# Allegro board C112P01-T2-ZDS-A03.brd (continued)
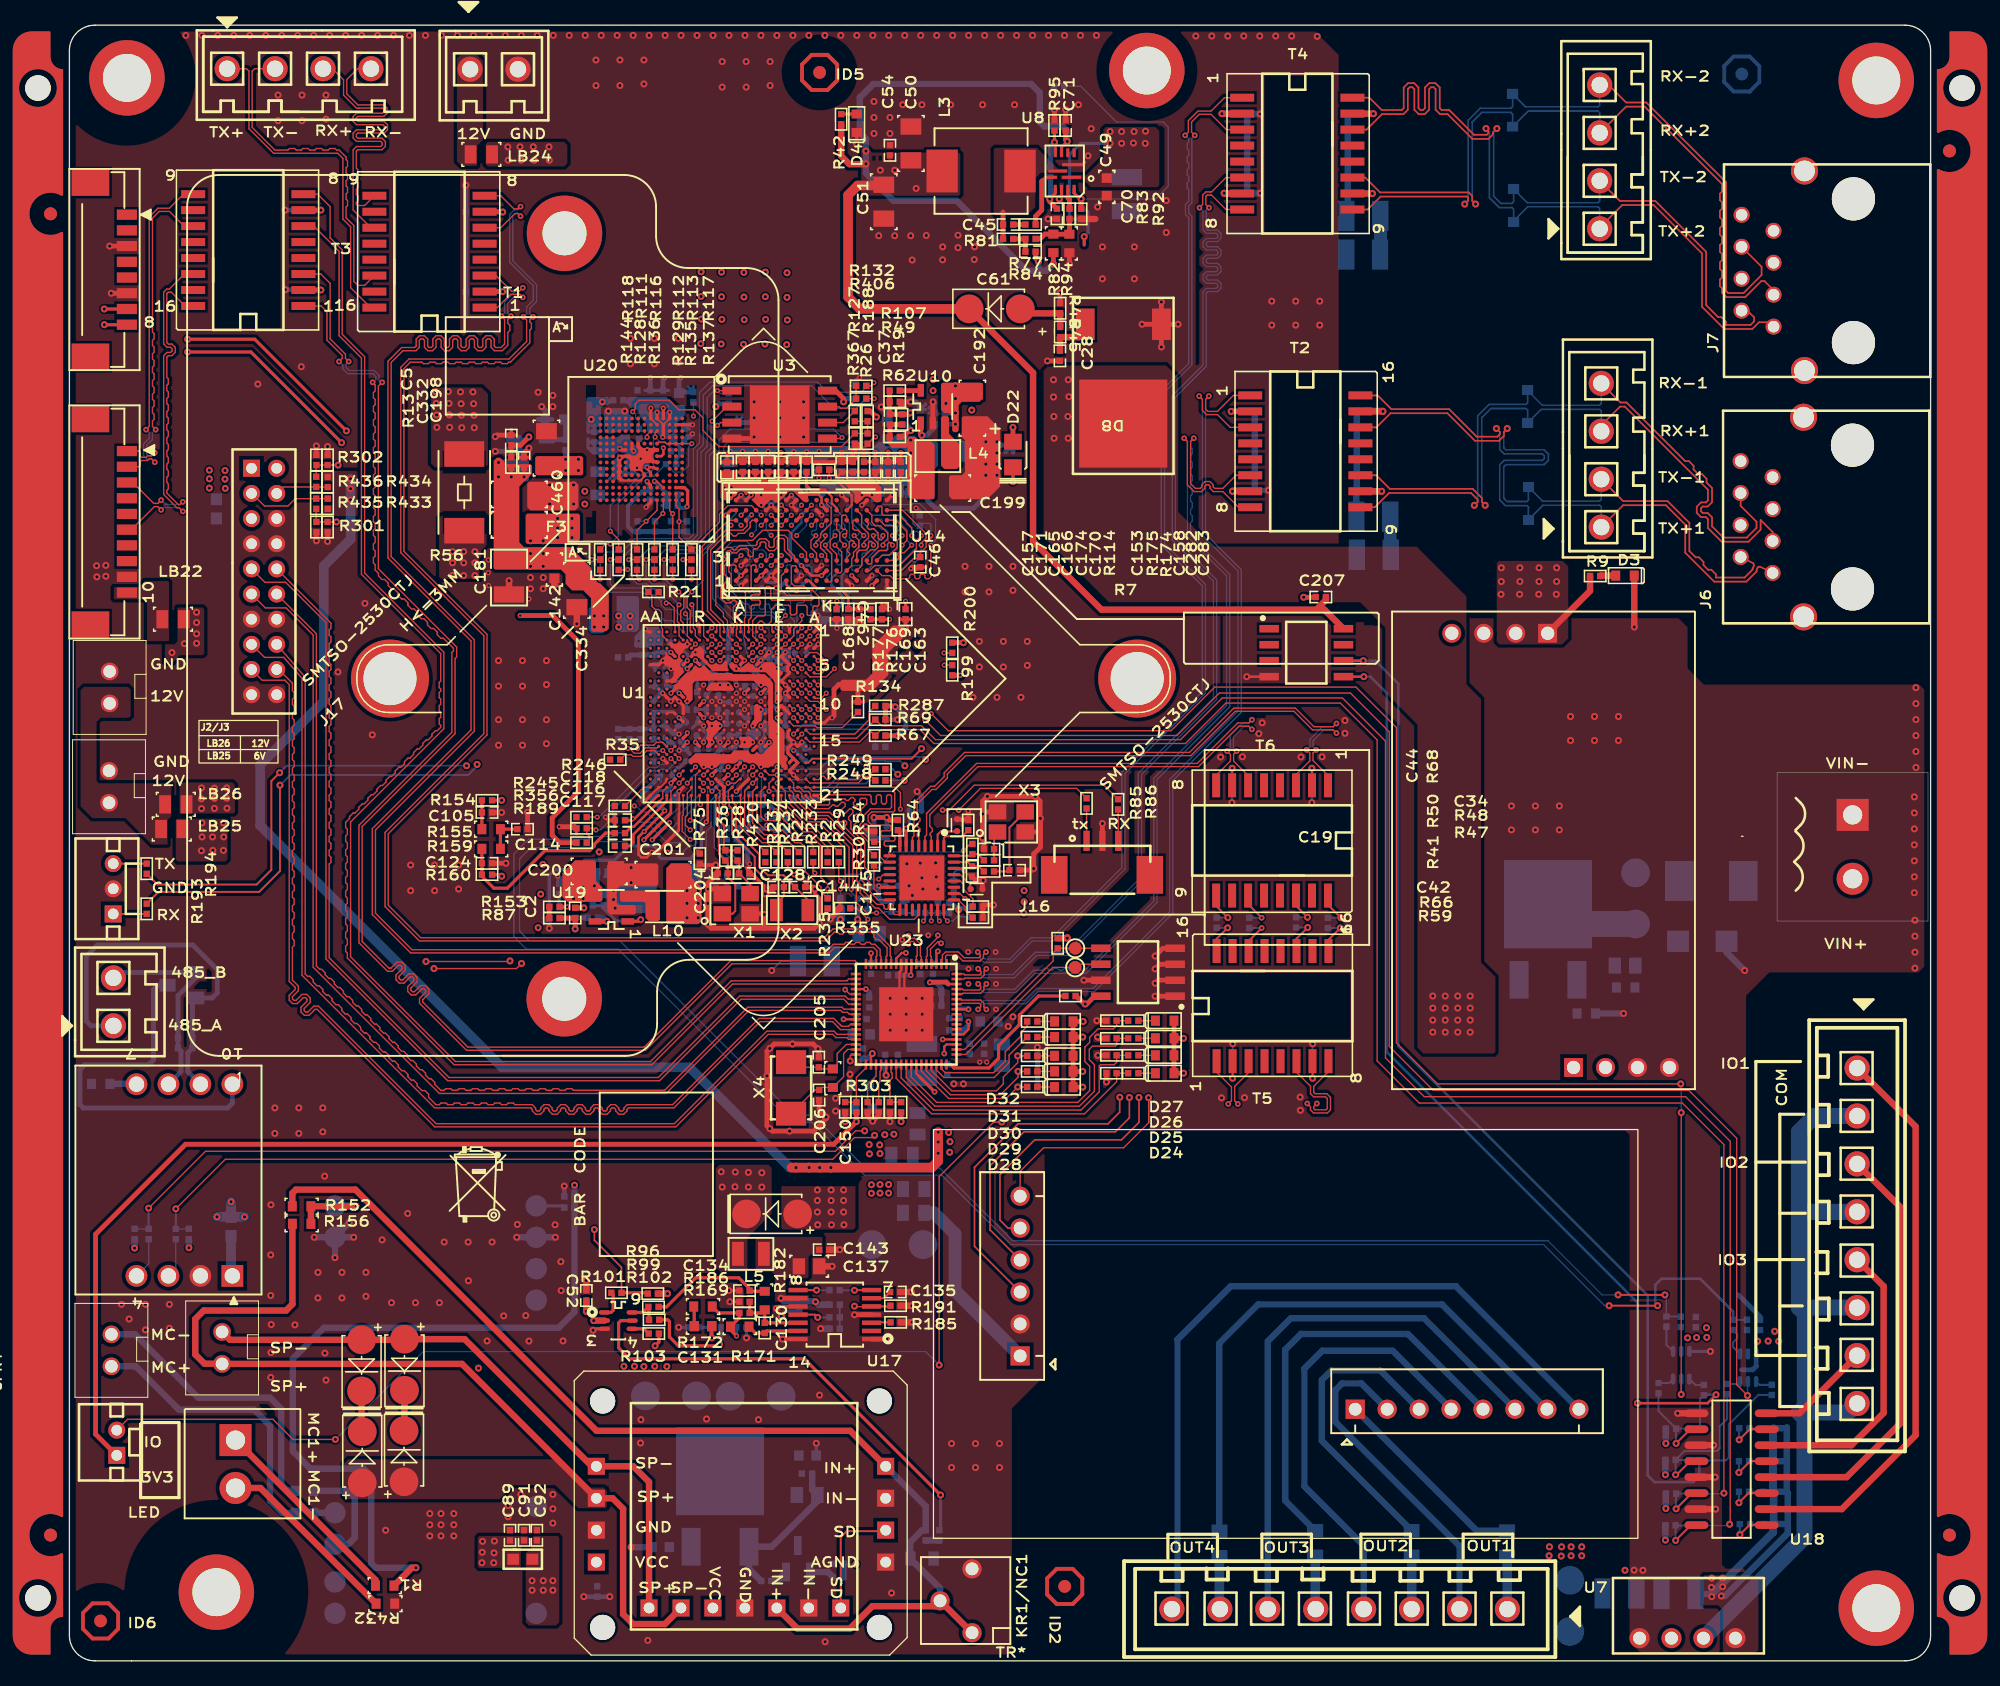
[diagram p0: board, top side]
## Routing (per net, layer and track width the routed paths; a pad name or vN(x,y) marks a point on that pad's centre or on a via; arc(x,y) is an arc through that point) (continued)
UART4_RXD: length 104.5
  TOP w0.102: U1.U18 v3(48.47,70.43) ; v1(63.22,42.14) 62.51,42.14 60.88,40.51 10.82,40.51 v1(6.3,35.99)
  ART03 w0.102: v3(48.47,70.43) 47.88,70.43 47.45,70 47.45,69.37 48.59,68.22 48.59,64.67 49.29,63.97 58.63,63.97 59.84,62.76 59.84,61.16 59.05,60.38 59.05,57.84 62.18,54.71 62.18,51.08 62.69,50.57 62.69,43.59 63.3,42.98 63.3,42.21 v1(63.22,42.14)
  BOTTOM w0.102: R213.1 R88.1
  BOTTOM w0.152: R213.1 v1(6.3,35.99)
UART4_TXD: length 101.5
  TOP w0.102: v1(64.01,41.78) 63.83,41.61 62.41,41.61 60.68,39.88 12.4,39.88 v1(8.46,35.94) ; U1.U19 v3(48.47,69.78)
  ART03 w0.102: v1(64.01,41.78) 64.52,42.29 64.52,43.31 62.99,44.83 62.99,50.77 62.56,51.21 62.56,55.09 62,55.65 62,59.82 60.78,61.04 60.78,62.46 58.89,64.35 49.41,64.35 48.84,64.92 48.84,69.37 48.47,69.74 v3(48.47,69.78)
  BOTTOM w0.102: R211.2 R212.1
  BOTTOM w0.152: R212.1 v1(8.46,35.94)
UPDATE_MODE_N: length 7.6
  TOP w0.102: U1.C14 v3(58.22,73.68)
  BOTTOM w0.102: v3(58.22,73.68) 58.6,74.07 63.55,74.07 R165.2 R18.1
USB_VBUS: length 4
  TOP w0.254: U1.V4 v3(47.82,80.18)
  BOTTOM w0.381: v3(47.82,80.18) 46.77,80.18 C59.1 R142.2 44.62,79.97 R76.1
VGND: length 63.4
  BOTTOM w1.27: 137.49,19.74 137.92,19.31 137.92,9.83 U7.3 ; 137.49,19.74 137.95,20.2 137.95,27.62 137.49,28.08 ; 137.49,19.74 141.4,19.74 J5.8 ; 137.49,28.08 137.49,35.7 ; 137.49,28.08 J5.6 ; J5.4 137.49,35.7 ; 137.49,35.7 137.49,42.05 138.76,43.32 J5.2
VLAN_DIS: length 22.4
  TOP w0.102: U23.41 65.72,46.32 68.55,43.49 80.69,43.49 83.25,46.05 R292.2 R271.1
WOL: length 13
  TOP w0.178: U23.51 70.07,47.41
  TOP w0.254: 70.07,47.41 70.33,47.14 73.1,47.14 73.86,47.9 73.86,48.92 75.51,50.57 75.51,51.33 77.04,52.86 R282.2
X1: length 6.7
  TOP w0.102: U23.32 61.76,49.01 61.04,48.29 61.04,47.41 R303.1 59.71,47.06 C205.2 57.78,47.19 X4.1
X2: length 8.3
  TOP w0.102: U23.33 61.87,48.61 61.54,48.29 61.54,46.44 R303.2 59.8,45.59 C206.2 59.26,45.39 X4.2
XIN: length 10.9
  TOP w0.102: 51.39,67.95 51.39,67.95 U1.N21
  TOP w0.152: X1.1 52.72,59.4 52.93,59.61 52.93,61.72 52.35,62.31 C204.1 52.35,63.42 R36.1 51.64,64.13 51.64,66.32 51.39,66.56 51.39,67.95
XOUT: length 6.3
  TOP w0.102: U1.N20 51.71,69.14 51.71,68.68 51.65,68.62 51.65,67.88
  TOP w0.152: 51.65,67.88 51.65,66.81 52.02,66.45 52.02,64.57 R36.2 R28.1
$9N18176: length 4.3
  BOTTOM w0.254: U15.H1 58.59,94.51 C161.1 R178.2 R179.1
$9N18177: length 5.2
  BOTTOM w0.178: 61.39,85.4 61.39,86.28 61.79,86.69 U15.M8
  BOTTOM w0.254: 61.39,85.4 61.9,84.89 61.9,84.18 61.95,84.13 C159.1 R180.2 R181.1
$9N18178: length 3.8
  BOTTOM w0.178: 60.59,85.51 60.59,86.08 60.99,86.48 60.99,86.69 U15.L8
  BOTTOM w0.254: 60.59,85.51 61.47,84.63 61.47,84.06 61.21,83.8 61.19,83.8 R115.2
$9N18185: length 5.5
  TOP w0.178: U14.M8 62.19,91.88 62.19,92.66
  TOP w0.203: 62.19,92.66 61.15,93.69 61.15,94.28 C153.1
  TOP w0.254: R174.1 R175.2 C153.1
$9N18186: length 6.6
  TOP w0.203: U14.H1 58.79,85.89 59.4,85.28 61.23,85.28 61.93,84.58 61.93,83.64 C462.1
  TOP w0.254: C462.1 61.92,83.62 R177.2 R176.1
$9N18198: length 4.7
  TOP w0.152: 60.6,92.04 60.6,92.57
  TOP w0.178: U14.L8 60.99,91.49 60.99,91.65 60.6,92.04 ; 60.6,92.57 60.07,93.1
  TOP w0.254: 60.07,93.1 59.72,93.1 59.72,93.1 58.93,93.1 58.6,93.43 R114.2
$10N9450: length 6.6
  TOP w0.102: R237.1 55.47,65.05 55.07,65.05 53.67,66.44 53.67,69.14 U1.J20
$10N9451: length 11.1
  TOP w0.102: v3(60.27,61.37) 60.27,61.75 59.74,62.28 59.74,64.82 58.95,65.61 58.06,65.61 56.46,67.21 55.96,67.21 55.68,67.49 55.68,67.82 55.29,68.21 55.29,68.81 U1.G21
  BOTTOM w0.102: R236.1 v3(60.27,61.37)
$10N9452: length 11.6
  TOP w0.102: R235.1 59.74,61.16 59.74,61.52 58.5,62.76 58.5,64.67 58.12,65.05 57.68,65.05 56.67,66.07 55.31,66.07 54.64,66.73 U1.H21
$10N9453: length 6.3
  TOP w0.102: U1.J21 53.99,68.81 53.99,66.55 55.19,65.35 56.06,65.35 R234.1
$10N9454: length 8.1
  TOP w0.102: R233.1 59.13,64.8 58.62,65.3 57.86,65.3 56.36,66.81 55.28,66.81 54.97,67.12 54.97,69.14 U1.G20
$10N9455: length 7.6
  TOP w0.102: U1.H20 54.32,69.13 54.32,66.61 55.25,65.68 56.62,65.68 R22.1
$10N9456: length 4.6
  TOP w0.102: R21.1 46.3,84.71 46.3,83.85 46.56,83.59 46.84,83.59 47.07,83.36 47.07,82.12 47.16,82.03 47.16,81.5 U1.W2
$10N9463: length 5.1
  TOP w0.102: U1.W20 47.17,69.13 47.17,68.61
  TOP w0.152: 47.17,68.61 46.9,68.34
  TOP w0.203: 46.9,68.34 46.89,68.34 44.87,66.32 44.68,66.32 C116.2
$10N9464: length 5.6
  TOP w0.203: U1.W21 47.49,68.81 47.5,68.36 44.83,65.7 44.83,65.05 44.58,64.8 C117.2
$19N2543: length 9
  TOP w0.102: U1.E19 56.59,70.11 v3(56.27,69.79)
  BOTTOM w0.127: R239.2 63.7,70.89 62.89,70.08 60.86,70.08 60.2,69.42 57.09,69.42 57.03,69.37 56.69,69.37 v3(56.27,69.79)
$19N2544: length 9.9
  TOP w0.102: U1.F19 55.94,70.11 55.62,69.78 v3(55.62,69.13)
  BOTTOM w0.127: v3(55.62,69.13) 60.55,69.13 61.16,69.75 63.32,69.75 63.58,70 R238.2
$19N2566: length 3
  TOP w0.152: R28.2 53.24,63.5 C128.1 54.11,61.74 X1.3
$19N2573: length 29.3
  TOP w0.102: v3(64.08,97.31) 63.98,97.31 R26.2 ; v3(49.48,84.99) 49.1,84.61 49.1,83.76 49.35,83.5 49.35,81.9 49.44,81.81 U1.T1
  BOTTOM w0.102: v3(64.08,97.31) 63.65,96.88 52.35,96.88 52.02,96.55 52.02,96.04 51.51,95.53 51.51,89.05 50.37,87.91 50.37,85.88 v3(49.48,84.99)
$19N2578: length 3.6
  TOP w0.254: v3(49.77,79.53) 50.09,79.21 U1.R5
  BOTTOM w0.254: R149.1 49.91,78.04 R148.1 50.37,78.5 C90.2 49.99,79.31 v3(49.77,79.53)
$20N13: length 3.1
  TOP w0.102: U6.12 64.69,62.51 v3(64.34,62.15)
  BOTTOM w0.152: v3(64.34,62.15) 64.31,62.13 62.94,62.13 62.79,61.98 R61.2
$20N14: length 2.5
  TOP w0.152: C44.1 70.52,65.94 69.27,65.94 69.02,65.69 U6.2
$20N15: length 2
  TOP w0.102: U6.29 70.82,62.51 71.58,61.75 71.58,61.43 C42.1
$20N16: length 1.3
  TOP w0.254: U6.8 66.02,65.89 R64.2
$20N17: length 2.8
  TOP w0.152: R68.2 70.97,65.56 69.65,65.56 69.52,65.43 U6.1
$20N18: length 4.1
  TOP w0.152: v3(71.13,62.83) 70.95,63.01 U6.30
  BOTTOM w0.152: C32.1 71.64,62.32 v3(71.13,62.83) 71.07,62.89 70.56,62.89 70.31,62.64 LB1.2
$20N19: length 3.7
  TOP w0.254: U6.7 v3(66.52,66.19)
  BOTTOM w0.254: LB2.2 66.38,66.05 66.5,66.18 ; v3(66.52,66.19) 66.79,66.46 C33.1 66.79,67.72
  BOTTOM w0.305: 66.5,66.18 v3(66.52,66.19)
$20N20: length 3
  TOP w0.102: R66.2 71.83,59.99 71.83,60.58 71.07,61.34 71.07,61.75 70.81,62.01 U6.28
$24N4711: length 2
  TOP w0.381: R62.2 66.24,97.31 66.75,97.82 v1(66.88,97.82)
  BOTTOM w0.381: v1(66.88,97.82) 66.88,97.92 66.5,98.3 R52.1
$24N4738: length 4.3
  TOP w0.381: v1(66.85,99.24) 66.73,99.11 R19.2 C37.2 65.2,99.14 R49.2 R107.2
  BOTTOM w0.381: v1(66.85,99.24) 66.73,99.11 R19.2
$24N4740: length 0.9
  TOP w0.381: R153.2 R87.1
$24N4742: length 1.8
  TOP w0.381: v1(42.72,58.8) 42.71,58.79 U19.5
  BOTTOM w0.381: R106.1 42.44,59.08 v1(42.72,58.8)
$24N4743: length 2.2
  TOP w0.305: R153.1 v3(39.57,59.94)
  BOTTOM w0.305: v3(39.57,59.94) R153.1 38.94,59.97 C27.1
$24N4744: length 3.2
  BOTTOM w0.381: U9.4 39.41,97.11 R3.2 39.45,98.55 R24.1
$24N4746: length 3.9
  TOP w0.381: v1(36.53,97.31) 35.86,96.65 C5.1 R13.2
  BOTTOM w0.305: U9.3 36.33,97.11 v1(36.53,97.31)
$24N6101: length 5.2
  TOP w0.381: R87.2 C2.2 v1(40.21,58.19)
  BOTTOM w0.381: C2.2 R87.2 ; C2.2 v1(40.21,58.19) ; C2.2 40.23,59.08 R106.2
$24N6123: length 1.7
  TOP w0.381: R107.1 67.65,100.99 U10.5
$25N58: length 7.8
  TOP w0.102: R29.1 59.28,66.19 58.45,66.19 56.27,68.37 56.27,69.13 U1.F20
$25N63: length 12.1
  TOP w0.102: U1.E20 56.59,69.46 56.92,69.14 56.92,68.48 58.7,66.7 59.97,66.7 61.98,64.69 61.98,61.52 v3(62.15,61.34)
  BOTTOM w0.102: v3(62.15,61.34) 62.15,61.11 R33.1
$25N69: length 12.8
  TOP w0.102: U1.B21 58.54,68.76 59.25,68.05 60.33,68.05 60.43,68.15 60.43,68.43 60.53,68.53 60.71,68.53 60.86,68.37 61.01,68.37 61.16,68.53 61.65,68.53 61.77,68.4 61.92,68.4 62.15,68.64 62.3,68.64 62.44,68.5 62.44,68.35 62.33,68.24 62.33,68.07 62.45,67.95 62.62,67.95 62.83,68.16 62.83,68.48 62.93,68.58 63.28,68.58 63.38,68.48 63.38,68.15 62.93,67.69 62.93,67.5 62.74,67.31 62.55,67.31 62.35,67.11 62.35,66.96 62.54,66.77 62.54,66.63 62.38,66.47 62.38,66.24 63.53,65.1 63.53,64.49 R30.1
$25N1561: length 6
  TOP w0.102: R249.1 63.75,70.58 63.11,70.58 62.6,70.07 61.84,70.07 61.72,70.18 61.72,70.21 61.6,70.33 61.43,70.33 61.31,70.21 61.31,70.18 61.19,70.07 61.02,70.07 60.9,70.18 60.9,70.21 60.78,70.33 60.62,70.33 60.5,70.21 60.5,70.18 60.38,70.07 60.21,70.07 60.09,70.18 60.09,70.21 59.97,70.33 59.8,70.33 59.68,70.21 59.68,70.18 59.57,70.07 59.24,70.07 U1.A19
$25N1562: length 6
  TOP w0.102: U1.B19 58.85,69.8 62.71,69.8 63.22,70.31 63.75,70.31 R248.1
$25N1563: length 2.6
  TOP w0.102: U1.W16 v3(47.17,72.38)
  BOTTOM w0.102: v3(47.17,72.38) 47.1,72.31 R247.2 45.47,73.28 R205.2
$25N1564: length 2.6
  TOP w0.102: R246.2 45.66,69.46 U1.AA20
$25N1565: length 9.1
  TOP w0.102: v3(41.96,67.08) R245.2 ; U1.V17 47.82,71.73 v3(47.82,71.73)
  BOTTOM w0.102: v3(47.82,71.73) 47.36,71.27 46.96,71.27 46.71,71.02 46.05,71.02 42.11,67.08 v3(41.96,67.08)
$25N1576: length 3.6
  TOP w0.102: R35.2 44.17,72.03 44.68,72.03 44.81,71.91 45.44,71.91 45.9,72.36 46.54,72.36 U1.Y16
$27N556: length 3.7
  TOP w0.102: R132.1 R406.1 61.77,99.59 61.29,99.59 61.16,99.72 U3.7
$27N1472: length 6
  TOP w0.203: v3(47.22,96.44) 47.22,95.94 47.06,95.78 U20.H5
  ART03 w0.254: v3(47.22,96.44) 47.6,96.44 48.84,97.69 48.84,98.32 49.48,98.96 v3(49.61,98.96)
  BOTTOM w0.102: v3(49.61,98.96) R146.1
$27N1480: length 4.1
  TOP w0.254: v3(49.1,91.77) 49.15,91.82 49.15,93.03 48.89,93.28 U20.C2
  BOTTOM w0.305: v3(49.1,91.77) 48.98,91.66 48.55,91.66 C55.1 C57.1
N14034: length 6.7
  TOP w0.102: R2.1 60.27,64.67 59.03,65.91 58.34,65.91 55.94,68.31 U1.F21
N15637: length 1.9
  BOTTOM w0.102: C56.1 57,68.02 R25.2
N23259: length 5.6
  TOP w0.254: U19.1 45.28,58.79 v1(45.42,58.93)
  BOTTOM w0.254: v1(45.42,58.93) 45.31,58.83 43.46,58.83 42.49,59.79 C423.1 R308.2
N23347: length 2.6
  TOP w0.254: D22.2 v1(75.01,93.75)
  BOTTOM w0.254: R225.2 v1(75.01,93.75)
N23431: length 3.8
  TOP w0.381: v1(67.77,97.43) 67.68,97.52 U10.1
  BOTTOM w0.381: R170.2 68.76,98.04 68.15,97.43 v1(67.77,97.43) 67.64,97.56 C81.1
N885079: length 2.6
  TOP w0.102: J16.1 R85.1
N885083: length 2.5
  TOP w0.102: R86.1 83.38,67.68 J16.3
N1001204: length 4.2
  BOTTOM w0.762: R90.1 91.41,4.16 J8.7
N1001336: length 4.2
  BOTTOM w0.762: J8.3 106.71,4.13 R98.1
N1001424: length 4.2
  BOTTOM w0.762: J8.1 114.29,4.14 R201.1
N1001498: length 4.2
  BOTTOM w0.762: R202.1 99.03,4.16 J8.5
N1002156: length 2.7
  TOP w0.152: R193.1 J14.1
N1002165: length 2.7
  TOP w0.152: R194.1 J14.3
N16789547: length 3.2
  BOTTOM w0.102: R212.2 8.46,31.19 J19.3
N16789551: length 3.3
  BOTTOM w0.102: R213.2 6.3,31.57 J19.4
N16844443: length 3.2
  BOTTOM w0.762: LB6.1 12.85,30.71 J19.1
N16845404: length 27.7
  TOP w0.229: v1(80.43,116.23) 80.34,116.23 79.87,116.7 U8.12
  TOP w0.254: 80.67,112.57 v1(80.67,113.23)
  TOP w0.381: R92.1 v1(80.43,116.23)
  BOTTOM w0.102: R431.1 80.39,125.2 83.25,122.34 86.96,122.34 87.35,121.95 87.35,117.25 86.33,116.23 v1(80.43,116.23)
  BOTTOM w0.254: v1(80.67,113.23) 80.98,113.54 80.98,115.16 80.69,115.45 R92.1
  BOTTOM w0.381: R92.1 v1(80.43,116.23)
N16884277: length 1.2
  TOP w0.508: D3.A 121.73,86.28 R9.2
N16885885: length 1.2
  TOP w0.254: D4.A 61.36,122.99 R42.2
N16892554: length 3.8
  TOP w0.508: D8.3 80.75,105.75 80.24,105.24 R45.2 78.74,105.22 C28.1
N16892582: length 4.4
  TOP w0.508: D7.1 75.95,107.14 R46.2 R45.1
N16958790: length 3.4
  TOP w0.152: v1(132.74,17.58) 133.58,18.41 U18.7
  BOTTOM w0.152: R241.2 v1(132.74,17.58)
N16958797: length 3.5
  TOP w0.152: v1(132.71,14.97) 133.62,15.88 U18.5
  BOTTOM w0.152: R231.2 v1(132.71,14.97)
N16958813: length 3.3
  TOP w0.152: v1(132.79,10.03) 133.55,10.79 U18.1
  BOTTOM w0.152: R224.2 v1(132.79,10.03)
N16958827: length 3.4
  TOP w0.152: U18.3 133.48,13.33 v1(132.71,12.57)
  BOTTOM w0.152: R228.2 v1(132.71,12.57)
N17014438: length 3
  BOTTOM w1.016: C39.2 105,87.97 C77.1
N17014488: length 3.1
  BOTTOM w1.016: C83.1 104.22,111.84 C40.2
N17054389: length 1.5
  TOP w0.254: U16.4 45.67,26.4 R103.2
N17057139: length 3.2
  TOP w0.508: D39.2 26.64,18.34 D38.2
N17057149: length 3.3
  TOP w0.508: D45.2 23.23,18.27 D40.2
N17071576: length 1.3
  BOTTOM w0.152: U2.6 127.16,22.09 R11.2
N17071582: length 1.3
  BOTTOM w0.152: U2.4 129.26,21.93 R12.2
N17071610: length 2.2
  BOTTOM w0.152: R10.1 126.95,25.14 U2.1
N17081385: length 1.1
  BOTTOM w0.152: U21.6 132.59,22.01 R17.2
N17081387: length 1.3
  BOTTOM w0.152: R34.2 134.35,21.95 U21.4
N17081412: length 2.4
  BOTTOM w0.152: U21.1 132.25,24.94 132.25,25.32 132.58,25.65 132.58,25.97 R16.1
N17150081: length 7.6
  BOTTOM w2.032: Q5.2 119.11,58.59 D2.2
N17153168: length 1.5
  BOTTOM w0.508: R299.2 56.26,6.35 Q7.2
N17153187: length 12.4
  BOTTOM w0.508: R300.2 59.04,13.6 C284.1 59.46,12.7 55.84,9.08 Q6.1 54.03,7.31 R299.1
N17599695: length 3.5
  TOP w0.381: T1.2 v1(34.44,108.86)
  BOTTOM w0.381: C72.2 v1(34.44,108.86)
N17599699: length 3.6
  TOP w0.381: v1(34.44,115.19) 34.42,115.21 T1.7
  BOTTOM w0.381: C74.2 v1(34.44,115.19)
N17602004: length 2
  TOP w0.381: C61.1 R84.1 R81.2
N17602008: length 3.9
  TOP w0.229: R95.1 v1(78.31,120.74) 78.37,120.68 U8.6
  BOTTOM w0.381: R93.2 77.99,120.42 v1(78.31,120.74)
N17602016: length 4.6
  TOP w0.229: U8.8 77.62,117.95
  TOP w0.254: 77.62,117.95 77.36,117.69
  TOP w0.381: R77.1 76.81,114.86 77.29,115.34 77.29,117.63 77.36,117.69
N17602039: length 2.1
  TOP w0.381: 74.22,115.19 C45.2 R81.1
N17602043: length 1.6
  TOP w0.229: 79.37,116.31 U8.11
  TOP w0.381: 79.37,116.31 79.5,116.18 R83.1
N17602252: length 4.1
  TOP w0.381: R83.2 79.5,113.44 R94.1 78.23,113.43 R82.2 77.55,113.44 77.17,113.06 R84.2
N17602278: length 3.7
  TOP w0.229: v1(77.93,116.23) 78.37,116.67 U8.9
  TOP w0.381: C70.1 77.93,116.03 v1(77.93,116.23)
  BOTTOM w0.381: v1(77.93,116.23) 77.99,116.29 R93.1
N17602290: length 1
  TOP w0.381: C45.1 R77.2
N17619483: length 1.7
  BOTTOM w0.508: R140.1 19.45,11.78 U12.10
N17619485: length 8.5
  BOTTOM w0.508: R141.1 22.17,13.51 22.68,13 22.68,9.78 22.17,9.28 U12.9
N17619513:
  vias: v1(36.78,6.38) v1(36.78,5.61) v1(37.67,6.38) v1(37.67,5.61) v1(38.43,6.38) v1(38.43,5.61)
N17624383: length 23
  BOTTOM w0.508: R140.2 16.92,11.76 15.95,12.73 15.95,18.71 14.68,19.98 8.7,19.98 5.26,23.42 J9.1
N17624386: length 23.3
  BOTTOM w0.508: R141.2 17.35,13.51 16.84,14.02 16.84,20.03 15.95,20.93 10.25,20.93 5.22,25.96 J9.2
N17625518: length 1.1
  BOTTOM w0.508: C103.2 R157.1
N17630638: length 2.4
  TOP w0.381: T3.2 v1(19.99,108.99)
  BOTTOM w0.381: C78.2 19.96,109.02 v1(19.99,108.99)
N17630660: length 2.5
  TOP w0.381: T3.7 v1(19.99,115.34)
  BOTTOM w0.381: 18.87,115.34 v1(19.99,115.34)
N17635400: length 2.2
  TOP w0.152: T5.2 v1(92.47,46.32)
  BOTTOM w0.152: C84.2 92.47,47.18 v1(92.47,46.32)
N17635422: length 2.3
  TOP w0.152: v1(98.83,46.32) 98.83,47.66 T5.7
  BOTTOM w0.152: C85.2 v1(98.83,46.32)
N17708031: length 2.2
  TOP w0.152: v1(98.77,70.97) 98.77,70.9 98.78,70.89 T6.2
  BOTTOM w0.152: v1(98.77,70.97) C86.2 98.81,70.21
N17708053: length 2.2
  TOP w0.152: T6.7 v1(92.43,70.97)
  BOTTOM w0.152: C87.2 92.42,70.93 92.43,70.94 v1(92.43,70.97)
N17709139: length 3.2
  TOP w0.152: T6.16 100.05,60.11 v1(101.08,59.08)
  BOTTOM w0.152: R130.2 v1(101.08,59.08)
N17709142: length 3
  TOP w0.152: v1(98.42,59.12) 97.51,60.03 T6.14
  BOTTOM w0.152: R131.2 v1(98.42,59.12)
N17709145: length 3.2
  TOP w0.152: T6.11 93.7,60.16 v2(94.78,59.08)
  BOTTOM w0.152: R133.2 v2(94.78,59.08)
N17709148: length 3
  TOP w0.152: v1(92.09,59.09) 91.16,60.02 T6.9
  BOTTOM w0.152: R138.2 v1(92.09,59.09)
N17853680: length 4.4
  TOP w0.152: U18.16 128.9,10.79 v1(127.69,9.58)
  BOTTOM w0.152: v1(127.69,9.58) R219.2 127.7,10.76 R226.1
N17853709: length 1.1
  BOTTOM w0.152: R223.2 133.62,10.88 R224.1
N17853778: length 4.4
  TOP w0.152: U18.14 128.97,13.33 v1(127.72,12.09)
  BOTTOM w0.152: v1(127.72,12.09) R220.2 R229.1
N17853826: length 1.1
  BOTTOM w0.152: R227.2 R228.1
N17853828: length 1.1
  BOTTOM w0.152: R230.2 R231.1
N17853830: length 1.1
  BOTTOM w0.152: R241.1 R240.2
N17898484: length 2.9
  TOP w0.254: R159.2 R155.1 C114.1
N17905239: length 2.8
  TOP w0.254: C131.2 v1(51.07,25.68)
  BOTTOM w0.254: v1(51.07,25.68) 50.98,25.77 R173.2 R183.1
N17905268: length 5.4
  TOP w0.254: v3(53.04,25.83) 52.55,26.31 R171.2 53.26,27.28 R169.2 51.61,27.66 R172.1
  BOTTOM w0.254: v3(53.04,25.83) 53.01,25.86 C133.1
N17905278: length 1.9
  BOTTOM w0.152: R187.1 R184.2 R190.2
N17905288: length 1.6
  TOP w0.254: C131.1 49.67,28.13 R172.2
N17905290: length 4.2
  TOP w0.254: R171.1 54.53,26.06 C130.2 55.44,26.23 U17.13
N17905305: length 2.5
  TOP w0.152: U17.8 v1(59.4,29.48)
  BOTTOM w0.152: C138.2 59.41,29.46 v1(59.4,29.48)
N17905311: length 2.6
  TOP w0.152: U17.11 59.26,27.53 v1(59.49,27.3)
  BOTTOM w0.152: R184.1 v1(59.49,27.3)
N17905313: length 5.9
  TOP w0.254: U17.12 55.28,26.88 C130.1 R182.1 55.03,27.66 R169.1 R186.1
N17905336: length 1.5
  TOP w0.152: R185.1 63.8,26.91 U17.3
N17905362: length 1.7
  TOP w0.152: U17.6 64.74,28.83 C135.2
N17905372: length 2.5
  TOP w0.152: U17.7 62.42,29.48 v1(62.41,29.46)
  BOTTOM w0.152: C138.1 v1(62.41,29.46)
N17957244: length 2.8
  TOP w0.508: T4.2 v1(91.62,123.01)
  BOTTOM w0.508: v1(91.62,123.01) 91.64,122.99 C80.2
N17957254: length 2.5
  TOP w0.508: v1(91.8,116.69) 91.82,116.66 T4.7
  BOTTOM w0.508: C82.2 v1(91.8,116.69)
N17957304: length 2.9
  TOP w0.508: T4.15 v1(103.66,123.01)
  BOTTOM w0.254: R126.1 v1(103.66,123.01)
N17957308: length 2.7
  TOP w0.508: T4.10 v1(103.58,116.66)
  BOTTOM w0.508: R125.1 103.56,116.69 v1(103.58,116.66)
N17957320: length 8.2
  BOTTOM w0.508: C83.2 101.63,114.99 R125.2 R126.2
N17957356: length 8.5
  BOTTOM w0.508: R120.2 102.34,93.01 R119.2 102.31,92.94 C77.2
N17957366: length 2.6
  TOP w0.381: T2.2 v1(92.35,99.34)
  BOTTOM w0.508: C75.2 v1(92.35,99.34)
N17957382: length 2.4
  TOP w0.508: T2.7 v1(92.46,92.99)
  BOTTOM w0.508: C76.2 92.53,93.07 v1(92.46,92.99)
N17957450: length 3.1
  TOP w0.508: T2.15 v1(104.42,99.34)
  BOTTOM w0.508: R120.1 104.37,99.39 v1(104.42,99.34)
N17957454: length 2.9
  TOP w0.508: T2.10 v1(104.32,92.99)
  BOTTOM w0.508: v1(104.32,92.99) 104.29,92.96 R119.1
N18052734: length 1.4
  TOP w0.102: R271.2 D24.C
N20115523: length 1.9
  TOP w0.178: U23.8 66.92,54.55 v2(66.88,54.51)
  BOTTOM w0.381: R293.2 v2(66.88,54.51)
N20253903: length 3.1
  TOP w0.102: R284.1 64.34,45.96 64.44,46.06 64.44,46.86 64.52,46.95 U23.38
N171353801: length 16.2
  TOP w0.508: J4.1 24.33,6.43 R1.2
N171354051: length 15
  TOP w0.508: R432.2 15.19,13.74 J4.2
N171530730: length 2
  BOTTOM w0.508: R297.1 60.3,7.06 Q7.1

## Copper pours and planes (outline as drawn; the poured copper is in the pictures)
1V8 on TOP (solid shape): 40.84,95.66 40.84,94.39 40.72,94.26 37.16,94.26 37.03,94.39 37.03,95.66 37.16,95.78 40.72,95.78
1V8 on BOTTOM: 37.29,94.01 42.49,94.01 42.62,94.13 42.62,94.89 41.86,95.66 41.48,95.66 40.84,96.29 40.84,100.48 41.1,100.74 45.29,100.74 45.42,100.86 45.42,101.5 45.16,101.75 40.59,101.75 39.95,101.12 39.95,95.91 39.83,95.78 37.29,95.78 37.16,95.66 37.16,94.13
1V8_SOC on BOTTOM: 42.62,91.85 42.49,91.72 40.72,91.72 40.59,91.85 40.59,93.12 40.72,93.24 42.49,93.24 42.62,93.12
1V8_SOC on POWER5: 46.56,67.72 45.99,68.29 45.99,68.31 45.9,68.5 45.7,68.59 45.68,68.59 43.89,70.38 43.89,81.89 44.04,82.19 43.89,82.5 43.89,82.78 44.04,83.08 43.89,83.39 43.89,83.46 40.46,86.89 40.46,91.83 40.46,91.84 40.49,91.97 40.46,92.11 40.46,92.12 40.46,93.12 41.1,93.75 45.59,93.75 45.6,93.71 45.82,93.46 46.15,93.54 46.22,93.56 46.29,93.54 46.61,93.47 46.83,93.71 46.84,93.75 48.97,93.75 49.35,93.37 49.35,92.17 49.31,92.09 49.21,92.08 48.77,91.77 49.21,91.46 49.31,91.45 49.35,91.37 49.35,86.29 49.32,86.27 49.16,86 49.32,85.73 49.35,85.72 49.35,85.27 49.33,85.25 49.17,84.99 49.33,84.72 49.35,84.71 49.35,84.25 49.33,84.24 49.17,83.97 49.33,83.71 49.35,83.69 49.35,83.55 49.29,83.45 49.18,83.47 48.67,83.25 49.18,83.03 49.29,83.05 49.35,82.95 49.35,72.92 50.24,72.03 52.78,72.03 53.48,71.33 53.45,71.3 53.37,71.04 53.52,70.82 53.54,70.8 53.54,68.35 52.91,67.72 47.62,67.72 47.61,67.74 47.35,67.89 47.08,67.74 47.07,67.72
3V3 on TOP (solid shape): 41.86,63.53 41.86,62 42.37,61.49 42.37,60.48 42.24,60.35 39.57,60.35 39.19,60.73 39.19,62.64 40.21,63.65 41.73,63.65
3V3 on TOP (solid shape): 72.47,101.62 72.59,101.5 72.59,100.36 72.34,100.1 70.94,100.1 70.69,99.85 70.69,97.82 70.56,97.69 70.31,97.69 70.18,97.82 70.18,98.96 70.04,99.1 70.04,99.13 70.01,99.13 69.93,99.21 69.55,99.21 69.29,99.47 69.29,101.45 69.29,101.5 69.42,101.62 72.41,101.63
3V3 on TOP (solid shape): 34.67,95.22 34.75,95.15 36.65,95.15 36.78,95.02 36.78,94.39 35.76,93.37 35.76,88.93 36.14,88.54 39.83,88.54 41.48,86.89 41.48,86.39 41.87,86 41.87,85.95 41.88,85.9 41.9,85.85 41.93,85.81 41.96,85.77 42,85.74 42.05,85.71 42.1,85.69 42.15,85.68 42.19,85.67 42.88,84.99 42.88,82.07 42.69,81.88 42.57,81.88 42.5,81.81 41.61,81.81 41.48,81.94 41.48,83.1 41.48,83.1 41.48,84.46 41.48,84.48 41.36,84.59 41.36,84.62 41.34,84.62 40.84,85.12 39.95,85.12 39.45,85.62 39.45,86.39 39.07,86.77 37.8,86.77 36.55,86.77 33.86,86.77 33.73,86.89 33.73,94.51 36.53,94.51 36.53,94.89 36.27,94.89 36.27,94.51 36.02,94.51 36.02,94.89 35.76,94.89 35.76,94.51 35.51,94.51 35.51,94.89 35.26,94.89 35.26,94.51 35,94.51 35,94.89 34.75,94.89 34.75,94.51 33.73,94.51 33.73,95.35 33.73,95.4 33.99,95.66 34.24,95.66
3V3 on BOTTOM (solid shape): 36.53,95.4 36.53,93.88 36.4,93.75 33.99,93.75 33.86,93.88 33.86,95.4 33.99,95.53 36.4,95.53
3V3 on BOTTOM (solid shape): 42.47,84.66 42.57,84.66 42.75,84.48 42.75,82.07 42.37,81.69 41.48,81.69 41.26,81.91 41.26,83.63 41.48,83.85 41.48,84.61 41.61,84.73 42.39,84.73
3V3 on BOTTOM (solid shape): 42.85,99.85 42.52,99.85 42.39,99.72 42.37,99.72 42.24,99.59 42.24,99.57 42.24,97.69 42.2,97.65 42.15,97.64 42.11,97.68 42.11,98.1 41.35,98.1 41.35,97.56 41.22,97.56 41.1,97.69 41.1,100.36 41.22,100.48 42.85,100.48
3V3 on BOTTOM: 133.25,23.94 133.58,23.94 133.63,23.99 133.63,25.02 136.33,25.02 136.45,25.13 136.45,26.48 136.31,26.62 133.07,26.62 133.01,26.56 132.99,26.56 132.99,25.1 133.21,24.88 133.21,23.98
3V3 on BOTTOM: 127.81,26.89 130.57,26.89 130.64,26.81 130.64,25.59 130.45,25.4 128.49,25.4 128.34,25.25 128.34,24.2 128.3,24.16 128,24.16 127.91,24.24 127.91,25.22 127.77,25.36 127.77,26.85
3V3 on POWER5: 130.51,26.92 136.41,26.92 136.69,26.64 136.69,24.05 136.37,23.74 128.87,23.74 128.82,23.69 128.82,8.93 128.65,8.76 127.85,8.76 127.84,8.78 125.12,8.78 125.02,8.88 125.02,30.29 125.26,30.53 130.09,30.53 130.21,30.4 130.21,27.22
3V3 on POWER5: 33.22,116.87 40.84,116.87 42.62,115.09 42.62,111.28 43.26,110.64 73.36,110.64 74.37,109.63 80.98,109.63 86.56,104.04 92.53,104.04 95.2,101.37 95.21,101.37 95.55,101.03 95.55,89.08 102.82,81.81 102.82,71.65 102.31,71.15 102.06,71.4 92.28,71.4 90.88,70 90.88,63.78 89.78,62.67 75.6,62.67 72.57,59.64 66.6,59.64 59.87,52.91 38.63,52.91 31.78,59.77 31.78,115.42 ; 3 cut-outs
3V3_BD on TOP: 33.27,95.1 33.27,100.74 32.77,101.24 28.91,101.24 28.75,101.09 28.75,95.2 29.06,94.89 33.07,94.89
3V3_BD on TOP: 70.69,116.48 70.82,116.61 70.82,119.79 70.69,119.91 63.83,119.91 63.45,120.29 63.07,120.29 62.94,120.17 62.94,116.61 63.07,116.48 ; 4 cut-outs
3V3_BD on BOTTOM: 66.54,36.87 66.79,37.12 66.79,37.93 66.54,38.19 63.23,38.19 63.06,38.01 63.06,36.97 63.16,36.87
3V3_BD on BOTTOM: 10.82,91.82 12.42,91.82 12.7,92.1 12.7,94.79 12.52,94.97 10.9,94.97 10.79,94.87 10.79,91.85
3V3_BD on BOTTOM: 63.59,39.52 65.89,39.52 66.01,39.65 66.01,42.21 65.94,42.29 64.57,42.29 64.44,42.16 64.44,41.4 64.36,41.33 63.3,41.33 63.16,41.19 63.14,41.19 63.14,39.97
3V3_BD on ART03: 62.08,40 65.02,40 69.8,35.23 69.8,21.67 69.98,21.49 71.32,21.49 71.58,21.74 71.58,23.75 71.7,23.88 73.3,23.88 73.57,24.14 73.57,26.07 73.43,26.21 71.45,26.21 70.66,27 70.66,38.28 67.56,41.38 62.1,41.38 61.85,41.12 61.85,40.23
3V3_BD on POWER5: 66.5,121.64 66.49,121.64 66.49,124.13 66,124.62 12.6,124.62 6.96,118.97 2.84,118.97 2.31,118.44 2.31,82.19 4.8,79.71 4.8,74.12 3.86,73.18 3.86,32.11 4.27,31.7 25.84,31.7 25.97,31.82 35.61,31.82 40.77,26.67 40.77,26.66 66.45,26.66 67.08,27.29 67.08,43.79 66.8,44.07 42.42,44.07 34.8,51.69 34.75,51.69 30.45,55.98 30.45,118.29 34.06,118.29 34.11,118.34 40.64,118.34 42.85,116.13 66.34,116.13 66.5,116.28 ; 8 cut-outs
3V3_SOC on TOP (solid shape): outline of 176 points within 48,70.82 57.1,79.16
3V3_SOC on BOTTOM (solid shape): 45.29,84.48 45.29,82.07 45.03,81.81 43.76,81.81 43.51,82.07 43.51,84.66 45.11,84.66
3V3_SOC on ART03: 43.28,83.68 48.07,83.68 50.15,81.6 50.15,79.43 50.5,79.08 52.35,79.08 52.53,78.91 52.53,78.28 52.73,78.08 55.5,78.08 56.06,77.52 56.06,74.56 56.58,74.04 57.1,74.04 57.24,73.9 57.24,72.78 57.33,72.69 57.76,72.69 58.19,72.26 58.19,72.03 57.67,71.51 56.49,71.51 56.15,71.86 56.15,73.22 55.75,73.61 43.71,73.61 42.98,74.35 42.98,83.38
5V_AU on TOP: 51.38,39.17 51.38,31.29 51.74,30.94 53.67,30.94 53.9,31.17 53.9,33.53 53.87,33.55 53.87,33.6 55.83,35.56 55.83,39.19 55.58,39.45 51.66,39.45